# Altium PCB PicoPrint - Copy.PcbDoc (part 3 of 4)
Units mm, origin at the board's own origin, x right, y up, seen from the top; angles counter-clockwise.
Board outline 110 x 64 mm, 4 copper layers (Component Side, Ground Plane, Power Plane, Solder Side), stack 0.844 mm thick; 229 components, 197 nets, 1715 pads, 420 vias.
Unrouted connection lines stored in the file: 380.
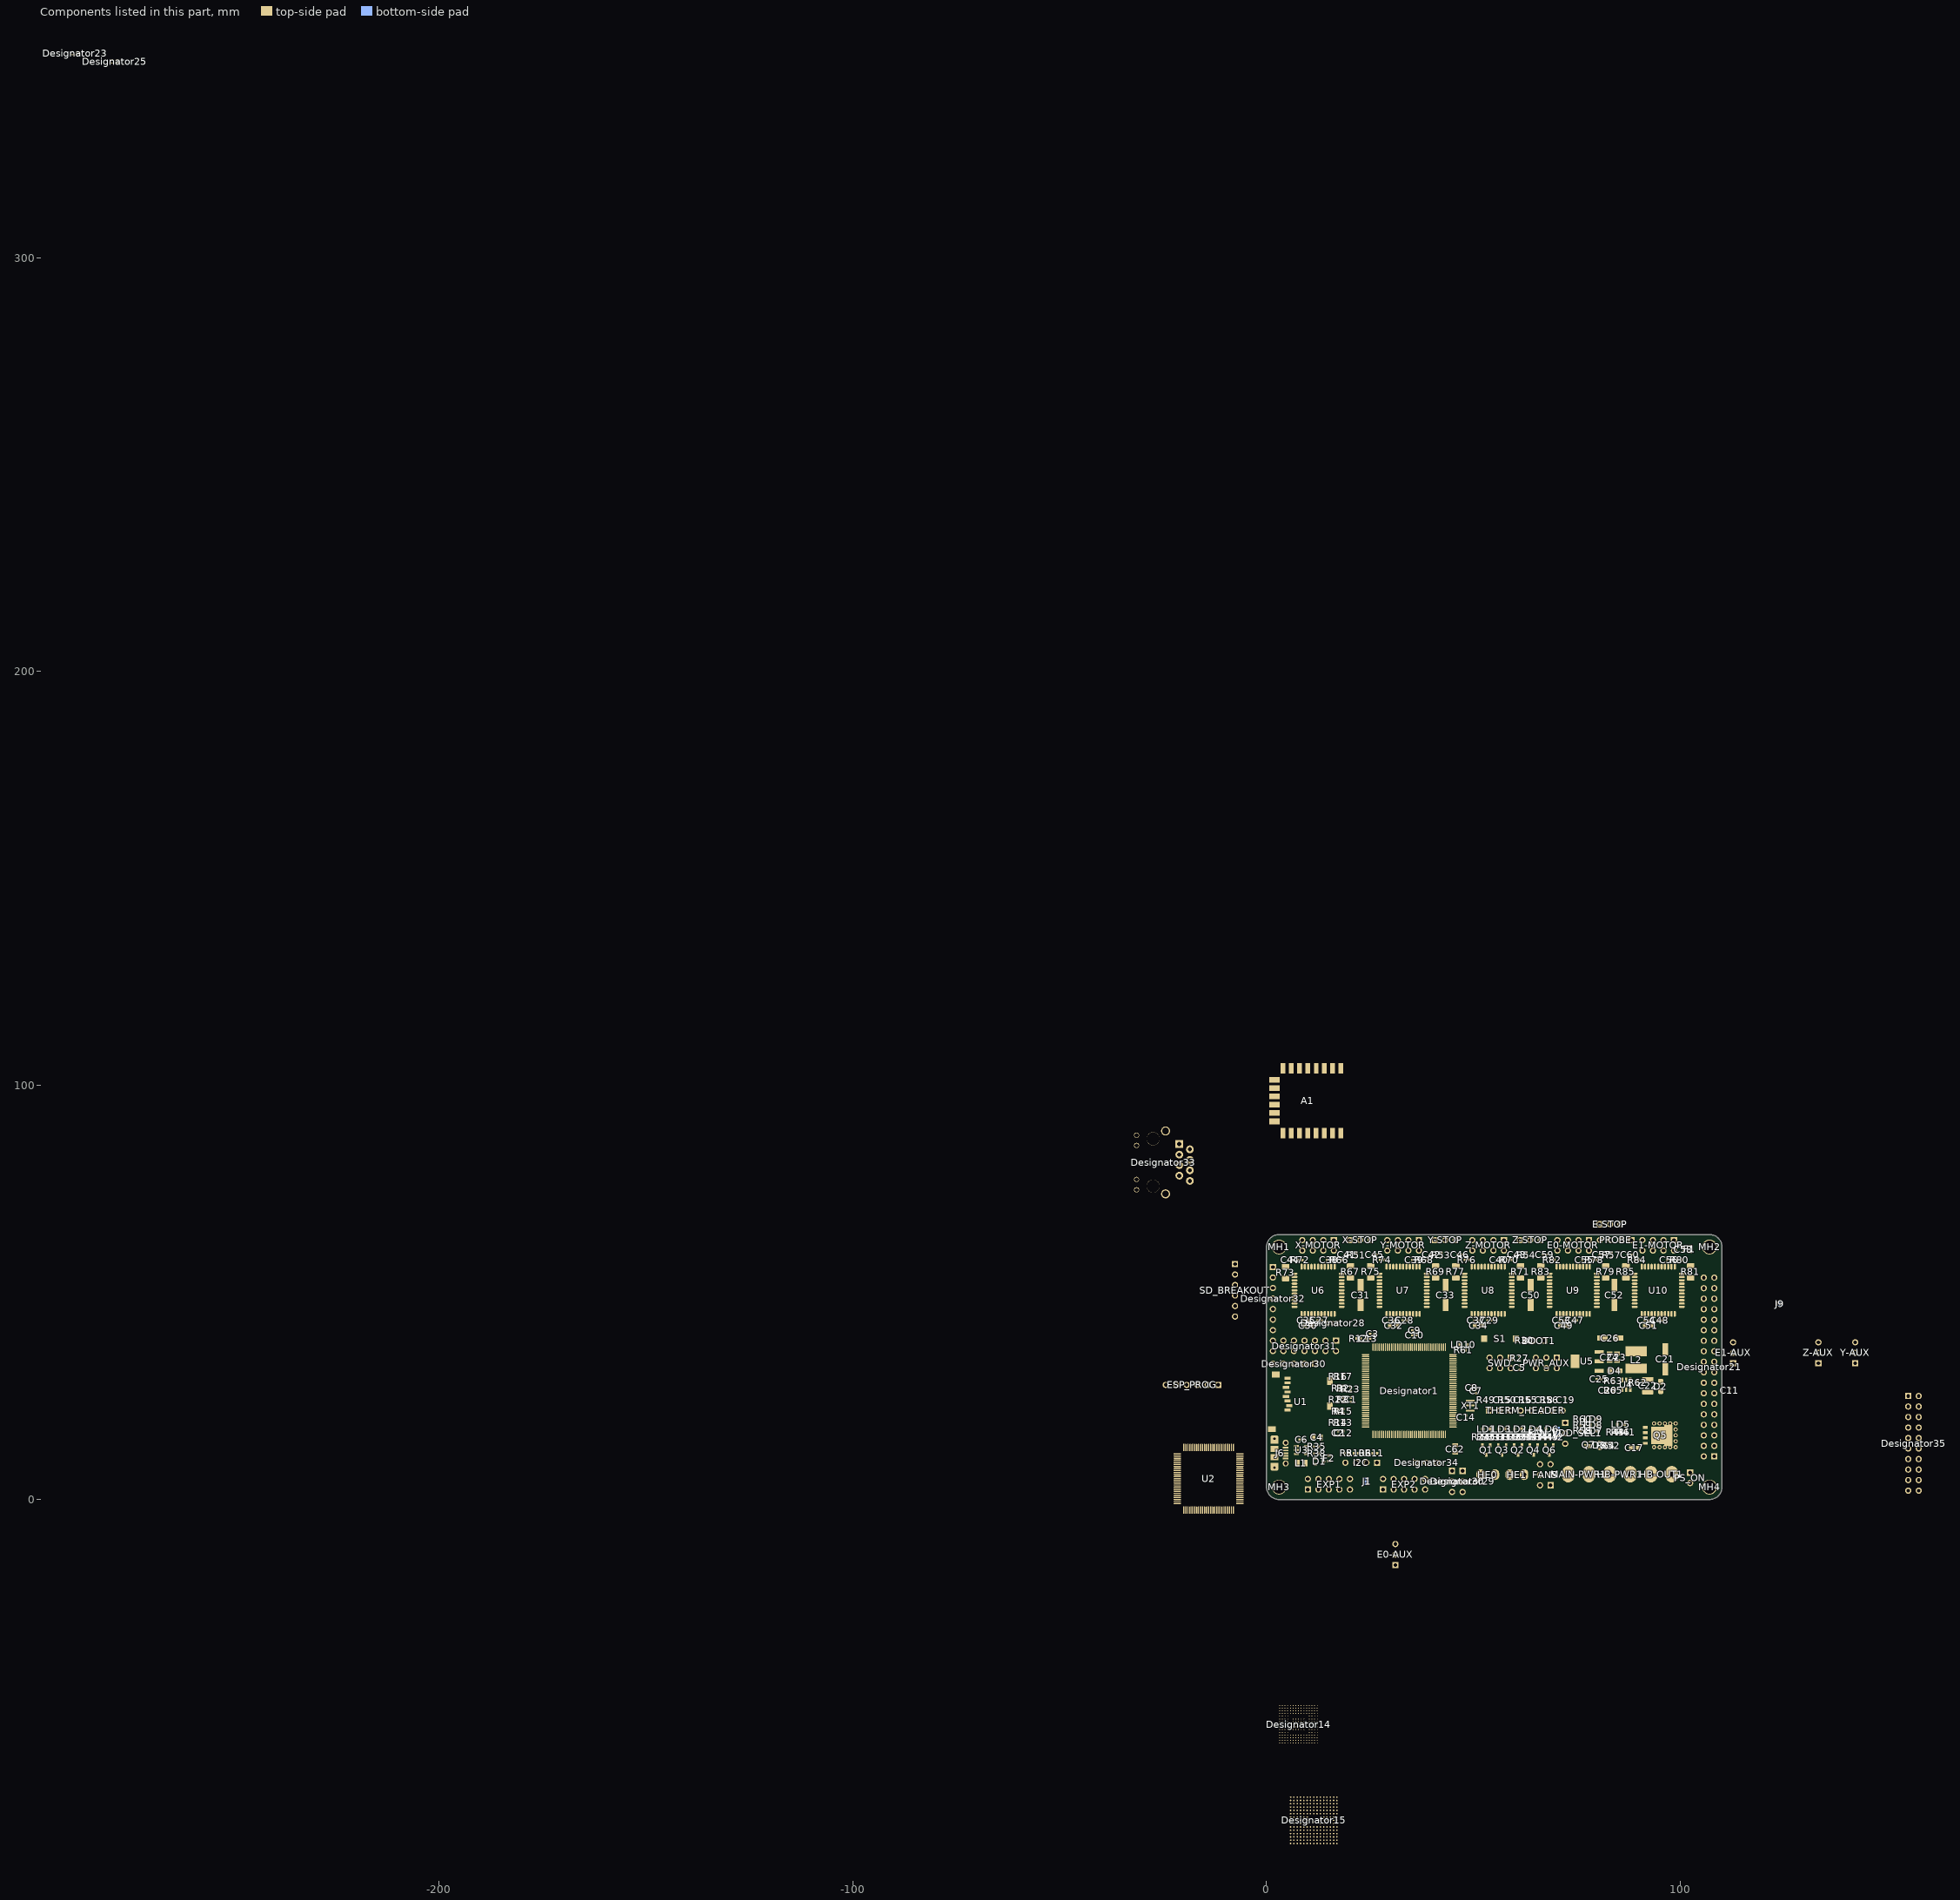
[diagram p5: the components of this part, seen from the top]

## Via types
v1: diameter 0.6, hole 0.3, Component Side to Solder Side, tented both sides, 208 vias
v2: diameter 0.8, hole 0.4, Component Side to Solder Side, tented both sides, 130 vias
v3: diameter 0.4, hole 0.2, Component Side to Solder Side, 72 vias
v4: diameter 1, hole 0.5, Component Side to Solder Side, tented both sides, 10 vias

## Nets (pads, with @x,y where several pads share a name; then routed paths per layer and width w, separated by ;. In a path a pad name is that pad's centre, name@x,y a point inside that pad or via, vN(x,y) a via of type N, cw(c..) or ccw(c..) an arc to the next point about the centre after c; other vN are vias at no path point) (continued)
pads on no net: A1.9 A1.10 A1.11 A1.12 A1.13 A1.14 C1.0 C2.0 C3.0 C4.0 C5.0 C6.0 C7.0 C8.0 C9.0 C10.0 C11.0 C12.0 C13.0 C14.0 C15.0 C16.0 C18.0 C19.0 C20.0 C22.0 C23.0 C24.0 C25.0 C27.0 C28.0 C29.0 C35.0 C36.0 C37.0 C38.0 C39.0 C40.0 C41.0 C42.0 C43.0 C44.0 C45.0 C46.0 C47.0 C48.0 C53.0 C54.0 C55.0 C56.0 C57.0 C58.0 C59.0 C60.0 C62.0 D1.0 D1.2 D3.0 Designator1.1 Designator1.2 Designator1.3 Designator1.4 Designator1.5 Designator1.6 Designator1.7 Designator1.8 Designator1.9 Designator1.10 Designator1.11 Designator1.12 Designator1.13 Designator1.14 Designator1.15 Designator1.16 Designator1.17 Designator1.18 Designator1.19 Designator1.20 Designator1.21 Designator1.22 Designator1.23 Designator1.24 Designator1.25 Designator1.26 Designator1.27 Designator1.28 Designator1.29 Designator1.30 Designator1.31 Designator1.32 Designator1.33 Designator1.34 Designator1.35 Designator1.36 Designator1.37 Designator1.38 Designator1.39 Designator1.40 Designator1.41 Designator1.42 Designator1.43 Designator1.44 Designator1.45 Designator1.46 Designator1.47 Designator1.48 Designator1.49 Designator1.50 Designator1.51 Designator1.52 Designator1.53 Designator1.54 Designator1.55 Designator1.56 Designator1.57 Designator1.58 Designator1.59 Designator1.60 Designator1.61 Designator1.62 Designator1.63 Designator1.64 Designator1.65 Designator1.66 Designator1.67 Designator1.68 Designator1.69 Designator1.70 Designator1.71 Designator1.72 Designator1.73 Designator1.74 Designator1.75 Designator1.76 Designator1.77 Designator1.78 Designator1.79 Designator1.80 Designator1.81 Designator1.82 Designator1.83 Designator1.84 Designator1.85 Designator1.86 Designator1.87 Designator1.88 Designator1.89 Designator1.90 Designator1.91 Designator1.92 Designator1.93 Designator1.94 Designator1.95 Designator1.96 Designator1.97 Designator1.98 Designator1.99 Designator1.100 Designator1.101 Designator1.102 Designator1.103 Designator1.104 Designator1.105 Designator1.106 Designator1.107 Designator1.108 Designator1.109 Designator1.110 Designator1.111 Designator1.112 Designator1.113 Designator1.114 Designator1.115 Designator1.116 Designator1.117 Designator1.118 Designator1.119 Designator1.120 Designator1.121 Designator1.122 Designator1.123 Designator1.124 Designator1.125 Designator1.126 Designator1.127 Designator1.128 Designator1.129 Designator1.130 Designator1.131 Designator1.132 Designator1.133 Designator1.134 Designator1.135 Designator1.136 Designator1.137 Designator1.138 Designator1.139 Designator1.140 Designator1.141 Designator1.142 Designator1.143 Designator1.144 Designator14.A1 Designator14.A2 Designator14.A3 Designator14.A4 Designator14.A5 Designator14.A6 Designator14.A7 Designator14.A8 Designator14.A9 Designator14.A10 Designator14.A11 Designator14.A12 Designator14.A13 Designator14.A14 Designator14.A15 Designator14.B1 Designator14.B2 Designator14.B3 Designator14.B4 Designator14.B5 Designator14.B6 Designator14.B7 Designator14.B8 Designator14.B9 Designator14.B10 Designator14.B11 Designator14.B12 Designator14.B13 Designator14.B14 Designator14.B15 Designator14.C1 Designator14.C2 Designator14.C3 Designator14.C4 Designator14.C5 Designator14.C6 Designator14.C7 Designator14.C8 Designator14.C9 Designator14.C10 Designator14.C11 Designator14.C12 Designator14.C13 Designator14.C14 Designator14.C15 Designator14.D1 Designator14.D2 Designator14.D3 Designator14.D4 Designator14.D5 Designator14.D6 Designator14.D7 Designator14.D8 Designator14.D9 Designator14.D10 Designator14.D11 Designator14.D12 Designator14.D13 Designator14.D14 Designator14.D15 Designator14.E1 Designator14.E2 Designator14.E3 Designator14.E4 Designator14.E12 Designator14.E13 Designator14.E14 Designator14.E15 Designator14.F1 Designator14.F2 Designator14.F3 Designator14.F4 Designator14.F6 Designator14.F7 Designator14.F8 Designator14.F9 Designator14.F10 Designator14.F12 Designator14.F13 Designator14.F14 Designator14.F15 Designator14.G1 Designator14.G2 Designator14.G3 Designator14.G4 Designator14.G6 Designator14.G7 Designator14.G8 Designator14.G9 Designator14.G10 Designator14.G12 Designator14.G13 Designator14.G14 Designator14.G15 Designator14.H1 Designator14.H2 Designator14.H3 Designator14.H4 Designator14.H6 Designator14.H7 Designator14.H8 Designator14.H9 Designator14.H10 Designator14.H12 Designator14.H13 Designator14.H14 Designator14.H15 Designator14.J1 Designator14.J2 Designator14.J3 Designator14.J4 Designator14.J6 Designator14.J7 Designator14.J8 Designator14.J9 Designator14.J10 Designator14.J12 Designator14.J13 Designator14.J14 Designator14.J15 Designator14.K1 Designator14.K2 Designator14.K3 Designator14.K4 Designator14.K6 Designator14.K7 Designator14.K8 Designator14.K9 Designator14.K10 Designator14.K12 Designator14.K13 Designator14.K14 Designator14.K15 Designator14.L1 Designator14.L2 Designator14.L3 Designator14.L4 Designator14.L12 Designator14.L13 Designator14.L14 Designator14.L15 Designator14.M1 Designator14.M2 Designator14.M3 Designator14.M4 Designator14.M5 Designator14.M6 Designator14.M7 Designator14.M8 Designator14.M9 Designator14.M10 Designator14.M11 Designator14.M12 Designator14.M13 Designator14.M14 Designator14.M15 Designator14.N1 Designator14.N2 Designator14.N3 Designator14.N4 Designator14.N5 Designator14.N6 Designator14.N7 Designator14.N8 Designator14.N9 Designator14.N10 Designator14.N11 Designator14.N12 Designator14.N13 Designator14.N14 Designator14.N15 Designator14.P1 Designator14.P2 Designator14.P3 Designator14.P4 Designator14.P5 Designator14.P6 Designator14.P7 Designator14.P8 Designator14.P9 Designator14.P10 Designator14.P11 Designator14.P12 Designator14.P13 Designator14.P14 Designator14.P15 Designator14.R1 Designator14.R2 Designator14.R3 Designator14.R4 Designator14.R5 Designator14.R6 Designator14.R7 Designator14.R8 Designator14.R9 Designator14.R10 Designator14.R11 Designator14.R12 Designator14.R13 Designator14.R14 Designator14.R15 Designator15.A1 Designator15.A2 Designator15.A3 Designator15.A4 Designator15.A5 Designator15.A6 Designator15.A7 Designator15.A8 Designator15.A9 Designator15.A10 Designator15.A11 Designator15.A12 Designator15.A13 Designator15.A14 Designator15.A15 Designator15.B1 Designator15.B2 Designator15.B3 Designator15.B4 Designator15.B5 Designator15.B6 Designator15.B7 Designator15.B8 Designator15.B9 Designator15.B10 Designator15.B11 Designator15.B12 Designator15.B13 Designator15.B14 Designator15.B15 Designator15.C1 Designator15.C2 Designator15.C3 Designator15.C4 Designator15.C5 Designator15.C6 Designator15.C7 Designator15.C8 Designator15.C9 Designator15.C10 Designator15.C11 Designator15.C12 Designator15.C13 Designator15.C14 Designator15.C15 Designator15.D1 Designator15.D2 Designator15.D3 Designator15.D4 Designator15.D5 Designator15.D6 Designator15.D7 Designator15.D8 Designator15.D9 Designator15.D10 Designator15.D11 Designator15.D12 Designator15.D13 Designator15.D14 Designator15.D15 Designator15.E1 Designator15.E2 Designator15.E3 Designator15.E4 Designator15.E5 Designator15.E6 Designator15.E7 Designator15.E8 Designator15.E9 Designator15.E10 Designator15.E11 Designator15.E12 Designator15.E13 Designator15.E14 Designator15.E15 Designator15.F1 Designator15.F2 Designator15.F3 Designator15.F4 Designator15.F5 Designator15.F6 Designator15.F7 Designator15.F8 Designator15.F9 Designator15.F10 Designator15.F11 Designator15.F12 Designator15.F13 Designator15.F14 Designator15.F15 Designator15.G1 Designator15.G2 Designator15.G3 Designator15.G4 Designator15.G5 Designator15.G6 Designator15.G10 Designator15.G11 Designator15.G12 Designator15.G13 Designator15.G14 Designator15.G15 Designator15.H1 Designator15.H2 Designator15.H3 Designator15.H4 Designator15.H5 Designator15.H6 Designator15.H10 Designator15.H11 Designator15.H12 Designator15.H13 Designator15.H14 Designator15.H15 Designator15.J1 Designator15.J2 Designator15.J3 Designator15.J4 Designator15.J5 Designator15.J6 Designator15.J10 Designator15.J11 Designator15.J12 Designator15.J13 Designator15.J14 Designator15.J15 Designator15.K1 Designator15.K2 Designator15.K3 Designator15.K4 Designator15.K5 Designator15.K6 Designator15.K7 Designator15.K8 Designator15.K9 Designator15.K10 Designator15.K11 Designator15.K12 Designator15.K13 Designator15.K14 Designator15.K15 Designator15.L1 Designator15.L2 Designator15.L3 Designator15.L4 Designator15.L5 Designator15.L6 Designator15.L7 Designator15.L8 Designator15.L9 Designator15.L10 Designator15.L11 Designator15.L12 Designator15.L13 Designator15.L14 Designator15.L15 Designator15.M1 Designator15.M2 Designator15.M3 Designator15.M4 Designator15.M5 Designator15.M6 Designator15.M7 Designator15.M8 Designator15.M9 Designator15.M10 Designator15.M11 Designator15.M12 Designator15.M13 Designator15.M14 Designator15.M15 Designator15.N1 Designator15.N2 Designator15.N3 Designator15.N4 Designator15.N5 Designator15.N6 Designator15.N7 Designator15.N8 Designator15.N9 Designator15.N10 Designator15.N11 Designator15.N12 Designator15.N13 Designator15.N14 Designator15.N15 Designator15.P1 Designator15.P2 Designator15.P3 Designator15.P4 Designator15.P5 Designator15.P6 Designator15.P7 Designator15.P8 Designator15.P9 Designator15.P10 Designator15.P11 Designator15.P12 Designator15.P13 Designator15.P14 Designator15.P15 Designator15.R1 Designator15.R2 Designator15.R3 Designator15.R4 Designator15.R5 Designator15.R6 Designator15.R7 Designator15.R8 Designator15.R9 Designator15.R10 Designator15.R11 Designator15.R12 Designator15.R13 Designator15.R14 Designator15.R15 Designator21.1 Designator21.2 Designator21.3 Designator21.4 Designator21.5 Designator21.6 Designator21.7 Designator21.8 Designator21.9 Designator21.10 Designator21.11 Designator21.12 Designator21.13 Designator21.14 Designator21.15 Designator21.16 Designator21.17 Designator21.18 Designator21.19 Designator21.20 Designator21.21 Designator21.22 Designator21.23 Designator21.24 Designator21.25 Designator21.26 Designator21.27 Designator21.28 Designator21.29 Designator21.30 Designator21.31 Designator21.32 Designator21.33 Designator21.34 Designator21.35 Designator21.36 Designator23.1 Designator23.2 Designator25.1 Designator25.2 Designator28.1 Designator28.2 Designator28.3 Designator29.1 Designator29.2 Designator29.3 Designator30.1 Designator30.2 Designator30.3 Designator30.4 Designator30.5 Designator31.1 Designator31.2 Designator31.3 Designator31.4 Designator31.5 Designator31.6 Designator31.7 Designator31.8 Designator31.9 Designator31.10 Designator31.11 Designator31.12 Designator31.13 Designator31.14 Designator32.1 Designator32.2 Designator32.3 Designator32.4 Designator32.5 Designator32.6 Designator32.7 Designator33.1 Designator33.2 Designator33.3 Designator33.4 Designator33.5 Designator33.6 Designator33.7 Designator33.8 Designator33.9 Designator33.10 Designator33.11 Designator33.12 Designator33.M1 Designator33.M2 Designator34.1 Designator34.2 Designator34.3 Designator35.1 Designator35.2 Designator35.3 Designator35.4 Designator35.5 Designator35.6 Designator35.7 Designator35.8 Designator35.9 Designator35.10 Designator35.11 Designator35.12 Designator35.13 Designator35.14 Designator35.15 Designator35.16 Designator35.17 Designator35.18 Designator35.19 Designator35.20 J6.4 J6.5 J6.6 J6.7 J6.ID LD1.0 LD2.0 LD3.0 LD4.0 LD5.0 LD6.0 LD7.0 LD8.0 LD9.0 LD10.0 MH1.M3 MH2.M3 MH3.M3 MH4.M3 Q1.0 Q2.0 Q3.0 Q4.0 Q6.0 R1.0 R2.0 R3.0 R4.0 R5.0 R6.0 R10.0 R11.0 R12.0 R13.0 R14.0 R15.0 R16.0 R17.0 R21.0 R22.0 R23.0 R24.0 R25.0 R26.0 R27.0 R28.0 R29.0 R30.0 R31.0 R32.0 R33.0 R34.0 R35.0 R36.0 R37.0 R38.0 R41.0 R42.0 R43.0 R44.0 R45.0 R46.0 R49.0 R50.0 R51.0 R52.0 R53.0 R54.0 R55.0 R56.0 R57.0 R58.0 R59.0 R60.0 R61.0 R62.0 R63.0 R64.0 R65.0 R66.0 R67.0 R68.0 R69.0 R70.0 R71.0 R72.0 R73.0 R74.0 R75.0 R76.0 R77.0 R78.0 R79.0 R80.0 R81.0 R82.0 R83.0 R84.0 R85.0 U1.1 U1.2 U1.8 U6.20 U6.34 U6.37 U6.38 U7.20 U7.34 U7.37 U7.38 U8.20 U8.34 U8.37 U8.38 U9.20 U9.34 U9.37 U9.38 U10.20 U10.34 U10.37 U10.38
copper on no net: | length 527.3
  Component Side w0.1: 4.4,-84.5 5.8,-83.1 ; 4.4,-82.3 5.8,-82.3 ; 4.4,-81.9 6.1,-81.9 6.5,-81.5 ; 4.4,-81.5 5.8,-81.5 ; 4.4,-81.1 6.1,-81.1 6.5,-80.7 ; 4.4,-80.7 5.8,-80.7 ; 4.4,-80.3 6.1,-80.3 6.5,-79.9 ; 4.4,-79.9 5.8,-79.9 ; 4.4,-79.5 6.1,-79.5 6.5,-79.1 ; 4.4,-79.1 5.8,-79.1 ; 4.4,-78.7 6.1,-78.7 6.5,-78.3 ; 4.4,-78.3 5.8,-78.3 ; 4.4,-77.9 6.1,-77.9 6.5,-77.5 ; 4.4,-77.5 5.8,-77.5 ; 4.4,-77.1 6.1,-77.1 6.5,-76.7 ; 4.4,-76.7 5.8,-76.7 ; 4.4,-76.3 6.1,-76.3 6.5,-75.9 ; 4.4,-75.9 5.8,-75.9 ; 4.4,-75.5 6.1,-75.5 6.5,-75.1 ; 4.4,-75.1 5.8,-75.1 ; 4.4,-74.7 6.1,-74.7 6.5,-74.3 ; 4.4,-74.3 5.8,-74.3 ; 4.4,-73.9 6.1,-73.9 6.5,-73.5 ; 4.4,-73.5 5.8,-73.5 ; 4.4,-72.7 5.8,-72.7 ; 4.4,-70.5 5.8,-71.9 ; 6.6,-84.5 6.6,-83.1 ; 6.6,-82.4 7,-82.8 7,-84.5 ; 6.6,-72.6 7,-72.2 7,-70.5 ; 6.6,-71.9 6.6,-70.5 ; v3(7,-81.1) 7.4,-80.7 ; v3(7,-80.3) 7.4,-79.9 ; v3(7,-79.5) 7.4,-79.1 ; v3(7,-78.7) 7.4,-78.3 ; v3(7,-77.9) 7.4,-77.5 ; v3(7,-77.1) 7.4,-76.7 ; v3(7,-76.3) 7.4,-75.9 ; v3(7,-75.5) 7.4,-75.1 ; v3(7,-74.7) 7.4,-74.3 ; v3(7,-73.9) 7.4,-73.5 ; 7.4,-84.5 7.4,-83.1 ; 7.4,-82.4 7.8,-82.8 7.8,-84.5 ; 7.4,-81.5 v3(7.8,-81.9) ; 7.4,-72.6 7.8,-72.2 7.8,-70.5 ; 7.4,-71.9 7.4,-70.5 ; v3(7.8,-81.1) 8.2,-80.7 ; v3(7.8,-79.5) 8.2,-79.9 ; v3(7.8,-78.7) 8.2,-79.1 ; v3(7.8,-77.9) 8.2,-78.3 ; v3(7.8,-77.1) 8.2,-77.5 ; v3(7.8,-76.3) 8.2,-76.7 ; v3(7.8,-75.5) 8.2,-75.9 ; v3(7.8,-74.7) 8.2,-75.1 ; v3(7.8,-73.9) 8.2,-74.3 ; v3(7.8,-73.1) 8.2,-73.5 ; 8.2,-84.5 8.2,-83.1 ; 8.2,-82.4 8.6,-82.8 8.6,-84.5 ; 8.2,-81.5 v3(8.6,-81.9) ; 8.2,-72.6 8.6,-72.2 8.6,-70.5 ; 8.2,-71.9 8.2,-70.5 ; v3(8.6,-81.1) 9,-80.7 ; v3(8.6,-73.1) 9,-73.5 ; 9,-84.5 9,-83.1 ; 9,-82.4 9.4,-82.8 9.4,-84.5 ; 9,-81.5 v3(9.4,-81.9) ; 9,-74.3 v3(9.4,-73.9) ; 9,-72.6 9.4,-72.2 9.4,-70.5 ; 9,-71.9 9,-70.5 ; v3(9.4,-81.1) 9.8,-80.7 ; v3(9.4,-73.1) 9.8,-73.5 ; 9.8,-84.5 9.8,-83.1 ; 9.8,-82.4 10.2,-82.8 10.2,-84.5 ; 9.8,-81.5 v3(10.2,-81.9) ; 9.8,-74.3 v3(10.2,-73.9) ; 9.8,-72.6 10.2,-72.2 10.2,-70.5 ; 9.8,-71.9 9.8,-70.5 ; v3(10.2,-81.1) 10.6,-80.7 ; v3(10.2,-73.1) 10.6,-73.5 ; 10.6,-84.5 10.6,-83.1 ; 10.6,-82.4 11,-82.8 11,-84.5 ; 10.6,-81.5 v3(11,-81.9) ; 10.6,-74.3 v3(11,-73.9) ; 10.6,-72.6 11,-72.2 11,-70.5 ; 10.6,-71.9 10.6,-70.5 ; v3(11,-81.1) 11.4,-80.7 ; v3(11,-73.1) 11.4,-73.5 ; 11.4,-84.5 11.4,-83.1 ; 11.4,-82.4 11.8,-82.8 11.8,-84.5 ; 11.4,-81.5 v3(11.8,-81.9) ; 11.4,-74.3 v3(11.8,-73.9) ; 11.4,-72.6 11.8,-72.2 11.8,-70.5 ; 11.4,-71.9 11.4,-70.5 ; v3(11.8,-81.1) 12.2,-80.7 ; v3(11.8,-73.1) 12.2,-73.5 ; 12.2,-84.5 12.2,-83.1 ; 12.2,-82.4 12.6,-82.8 12.6,-84.5 ; 12.2,-81.5 v3(12.6,-81.9) ; 12.2,-74.3 v3(12.6,-73.9) ; 12.2,-72.6 12.6,-72.2 12.6,-70.5 ; 12.2,-71.9 12.2,-70.5 ; v3(12.6,-81.1) 13,-80.7 ; v3(12.6,-73.1) 13,-73.5 ; 13,-84.5 13,-83.1 ; 13,-82.4 13.4,-82.8 13.4,-84.5 ; 13,-81.5 v3(13.4,-81.9) ; 13,-74.3 v3(13.4,-73.9) ; 13,-72.6 13.4,-72.2 13.4,-70.5 ; 13,-71.9 13,-70.5 ; v3(13.4,-81.1) 13.8,-80.7 ; v3(13.4,-73.1) 13.8,-73.5 ; 13.8,-84.5 13.8,-83.1 ; 13.8,-82.4 14.2,-82.8 14.2,-84.5 ; 13.8,-81.5 v3(14.2,-81.9) ; 13.8,-74.3 v3(14.2,-73.9) ; 13.8,-72.6 14.2,-72.2 14.2,-70.5 ; 13.8,-71.9 13.8,-70.5 ; v3(14.2,-81.1) 14.6,-80.7 ; v3(14.2,-73.1) 14.6,-73.5 ; 14.6,-84.5 14.6,-83.1 ; 14.6,-82.4 15,-82.8 15,-84.5 ; 14.6,-81.5 v3(15,-81.9) ; 14.6,-79.9 v3(15,-80.3) ; 14.6,-79.1 v3(15,-79.5) ; 14.6,-78.3 v3(15,-78.7) ; 14.6,-77.5 v3(15,-77.9) ; 14.6,-76.7 v3(15,-77.1) ; 14.6,-75.9 v3(15,-76.3) ; 14.6,-75.1 v3(15,-75.5) ; 14.6,-74.3 v3(15,-74.7) ; 14.6,-72.6 15,-72.2 15,-70.5 ; 14.6,-71.9 14.6,-70.5 ; 15.4,-84.5 15.4,-83.1 ; 15.4,-82.4 15.8,-82.8 15.8,-84.5 ; 15.4,-81.5 v3(15.8,-81.1) ; 15.4,-80.7 v3(15.8,-80.3) ; 15.4,-79.9 v3(15.8,-79.5) ; 15.4,-79.1 v3(15.8,-78.7) ; 15.4,-78.3 v3(15.8,-77.9) ; 15.4,-77.5 v3(15.8,-77.1) ; 15.4,-76.7 v3(15.8,-76.3) ; 15.4,-75.9 v3(15.8,-75.5) ; 15.4,-75.1 v3(15.8,-74.7) ; 15.4,-74.3 v3(15.8,-73.9) ; 15.4,-73.5 v3(15.8,-73.1) ; 15.4,-72.6 15.8,-72.2 15.8,-70.5 ; 15.4,-71.9 15.4,-70.5 ; 16.2,-84.5 16.2,-83.1 ; 16.2,-73.5 16.3,-73.5 16.7,-73.1 18.4,-73.1 ; 16.2,-71.9 16.2,-70.5 ; 16.3,-82.3 16.7,-81.9 18.4,-81.9 ; 16.3,-81.5 16.7,-81.1 18.4,-81.1 ; 16.3,-80.7 16.7,-80.3 18.4,-80.3 ; 16.3,-79.9 16.7,-79.5 18.4,-79.5 ; 16.3,-79.1 16.7,-78.7 18.4,-78.7 ; 16.3,-78.3 16.7,-77.9 18.4,-77.9 ; 16.3,-77.5 16.7,-77.1 18.4,-77.1 ; 16.3,-76.7 16.7,-76.3 18.4,-76.3 ; 16.3,-75.9 16.7,-75.5 18.4,-75.5 ; 16.3,-75.1 16.7,-74.7 18.4,-74.7 ; 16.3,-74.3 16.7,-73.9 18.4,-73.9 ; 16.3,-72.7 16.7,-72.3 18.4,-72.3 ; 17,-83.1 18.4,-84.5 ; 17,-82.3 18.4,-82.3 ; 17,-81.5 18.4,-81.5 ; 17,-80.7 18.4,-80.7 ; 17,-79.9 18.4,-79.9 ; 17,-79.1 18.4,-79.1 ; 17,-78.3 18.4,-78.3 ; 17,-77.5 18.4,-77.5 ; 17,-76.7 18.4,-76.7 ; 17,-75.9 18.4,-75.9 ; 17,-75.1 18.4,-75.1 ; 17,-74.3 18.4,-74.3 ; 17,-73.5 18.4,-73.5 ; 17,-72.7 18.4,-72.7 ; 17,-71.9 18.4,-70.5
  Component Side w0.178: 2.2,-58.2 3.15,-58.2 ; 2.2,-57.55 3.15,-57.55 ; 2.2,-56.9 3.15,-56.9 ; 2.2,-56.25 3.15,-56.25 ; 2.2,-55.6 3.15,-55.6 ; 2.2,-54.95 3.15,-54.95 ; 2.2,-54.3 3.15,-54.3 ; 2.2,-53.65 3.15,-53.65 ; 2.2,-53 3.15,-53 ; 2.2,-52.35 3.15,-52.35 ; 2.2,-51.7 3.15,-51.7 ; 2.2,-51.05 3.15,-51.05 ; 2.2,-50.4 3.15,-50.4 ; 2.2,-49.75 3.15,-49.75 ; 3.15,-59.8 3.15,-58.85 ; 3.8,-59.8 3.8,-58.85 ; 3.8,-49.75 3.8,-48.8 ; 4.45,-59.8 4.45,-58.85 ; 4.45,-49.75 4.45,-48.8 ; 5.1,-59.8 5.1,-58.85 ; 5.1,-49.75 5.1,-48.8 ; 5.75,-59.8 5.75,-58.85 ; 5.75,-49.75 5.75,-48.8 ; 6.4,-59.8 6.4,-58.85 ; 6.4,-49.75 6.4,-48.8 ; 7.05,-59.8 7.05,-58.85 ; 7.05,-49.75 7.05,-48.8 ; 7.7,-59.8 7.7,-58.85 ; 7.7,-49.75 7.7,-48.8 ; 8.35,-59.8 8.35,-58.85 ; 8.35,-49.75 8.35,-48.8 ; 9,-59.8 9,-58.85 ; 9,-49.75 9,-48.8 ; 9.65,-59.8 9.65,-58.85 ; 9.65,-49.75 9.65,-48.8 ; 10.3,-59.8 10.3,-58.85 ; 10.3,-49.75 10.3,-48.8 ; 10.95,-59.8 10.95,-58.85 ; 10.95,-49.75 10.95,-48.8 ; 11.6,-59.8 11.6,-58.85 ; 11.6,-51.7 11.731,-51.7 ; 11.6,-49.75 11.6,-48.8 ; 12.25,-58.85 13.2,-58.85 ; 12.25,-58.2 13.2,-58.2 ; 12.25,-57.55 13.2,-57.55 ; 12.25,-56.9 13.2,-56.9 ; 12.25,-56.25 13.2,-56.25 ; 12.25,-55.6 13.2,-55.6 ; 12.25,-54.95 13.2,-54.95 ; 12.25,-54.3 13.2,-54.3 ; 12.25,-53.65 13.2,-53.65 ; 12.25,-53 13.2,-53 ; 12.25,-52.35 13.2,-52.35 ; 12.25,-51.7 13.2,-51.7 ; 12.25,-51.05 13.2,-51.05 ; 12.25,-50.4 13.2,-50.4 ; 12.25,-49.75 13.175,-48.825